# KiCad board GIMIX Mainboard.kicad_pcb
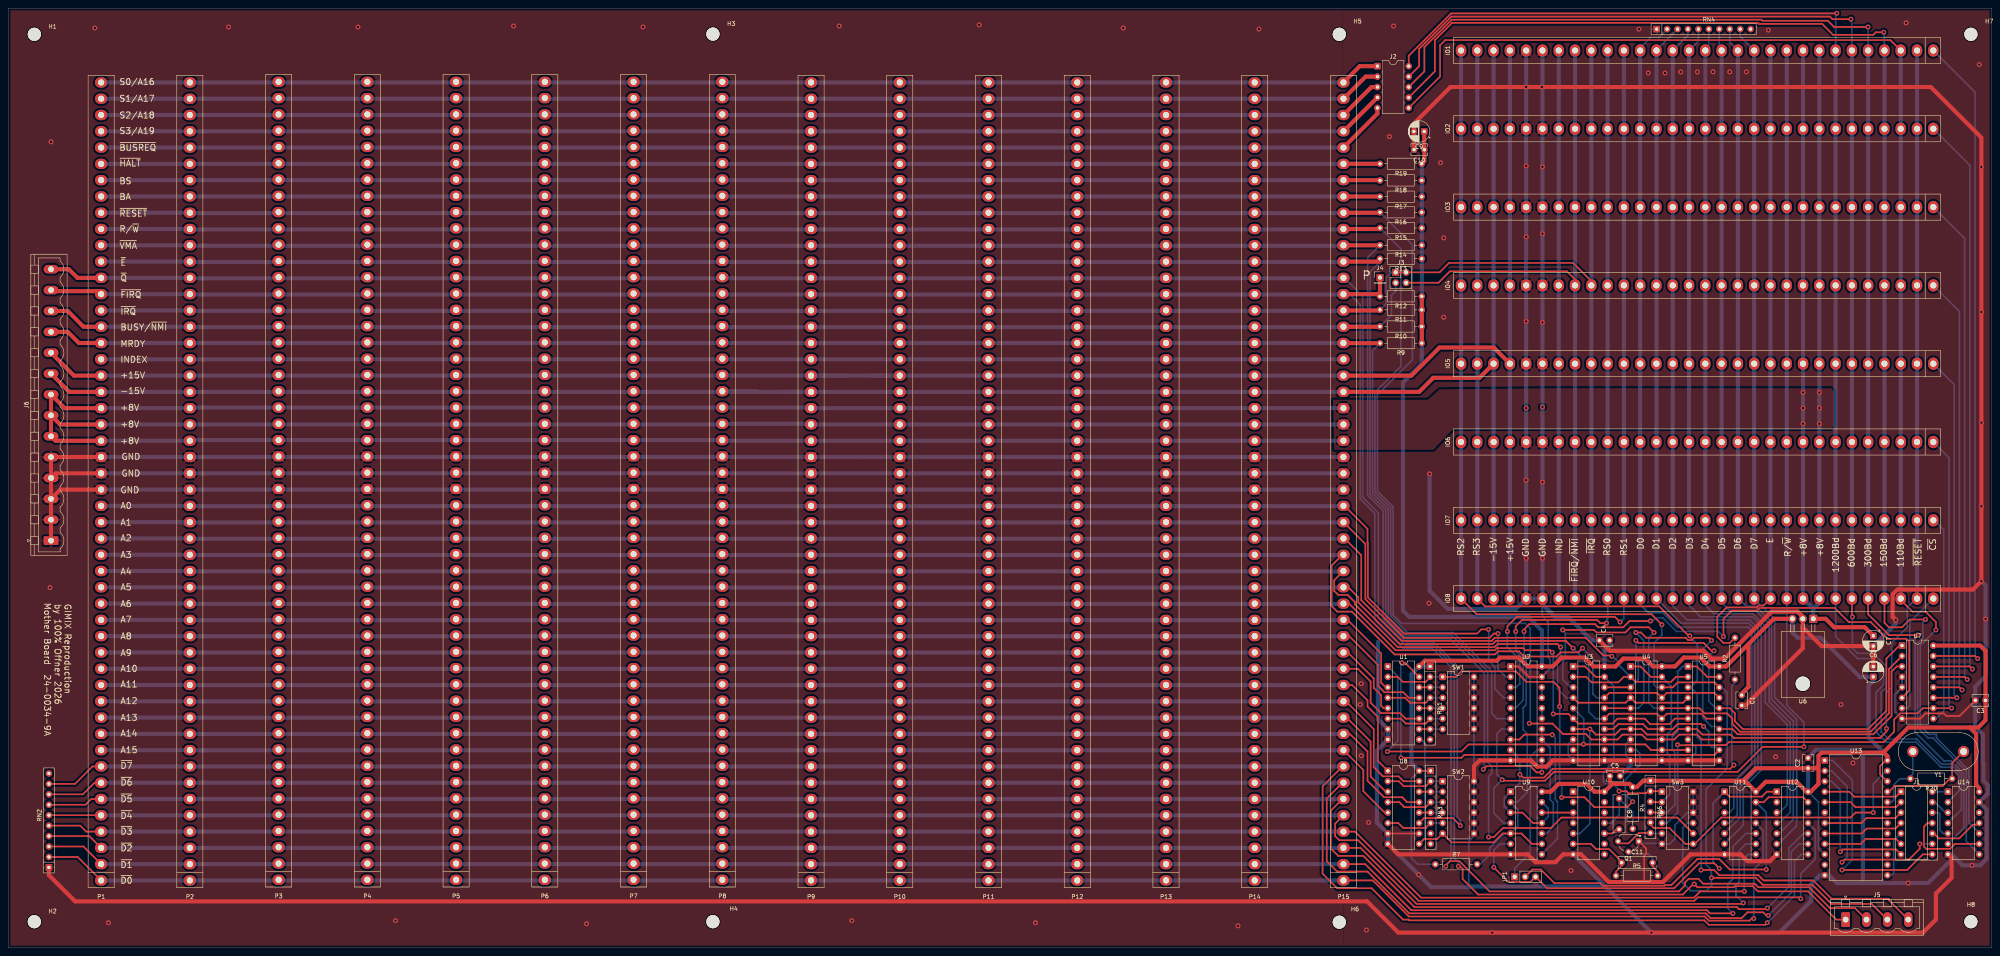
[diagram p0: board, top side]
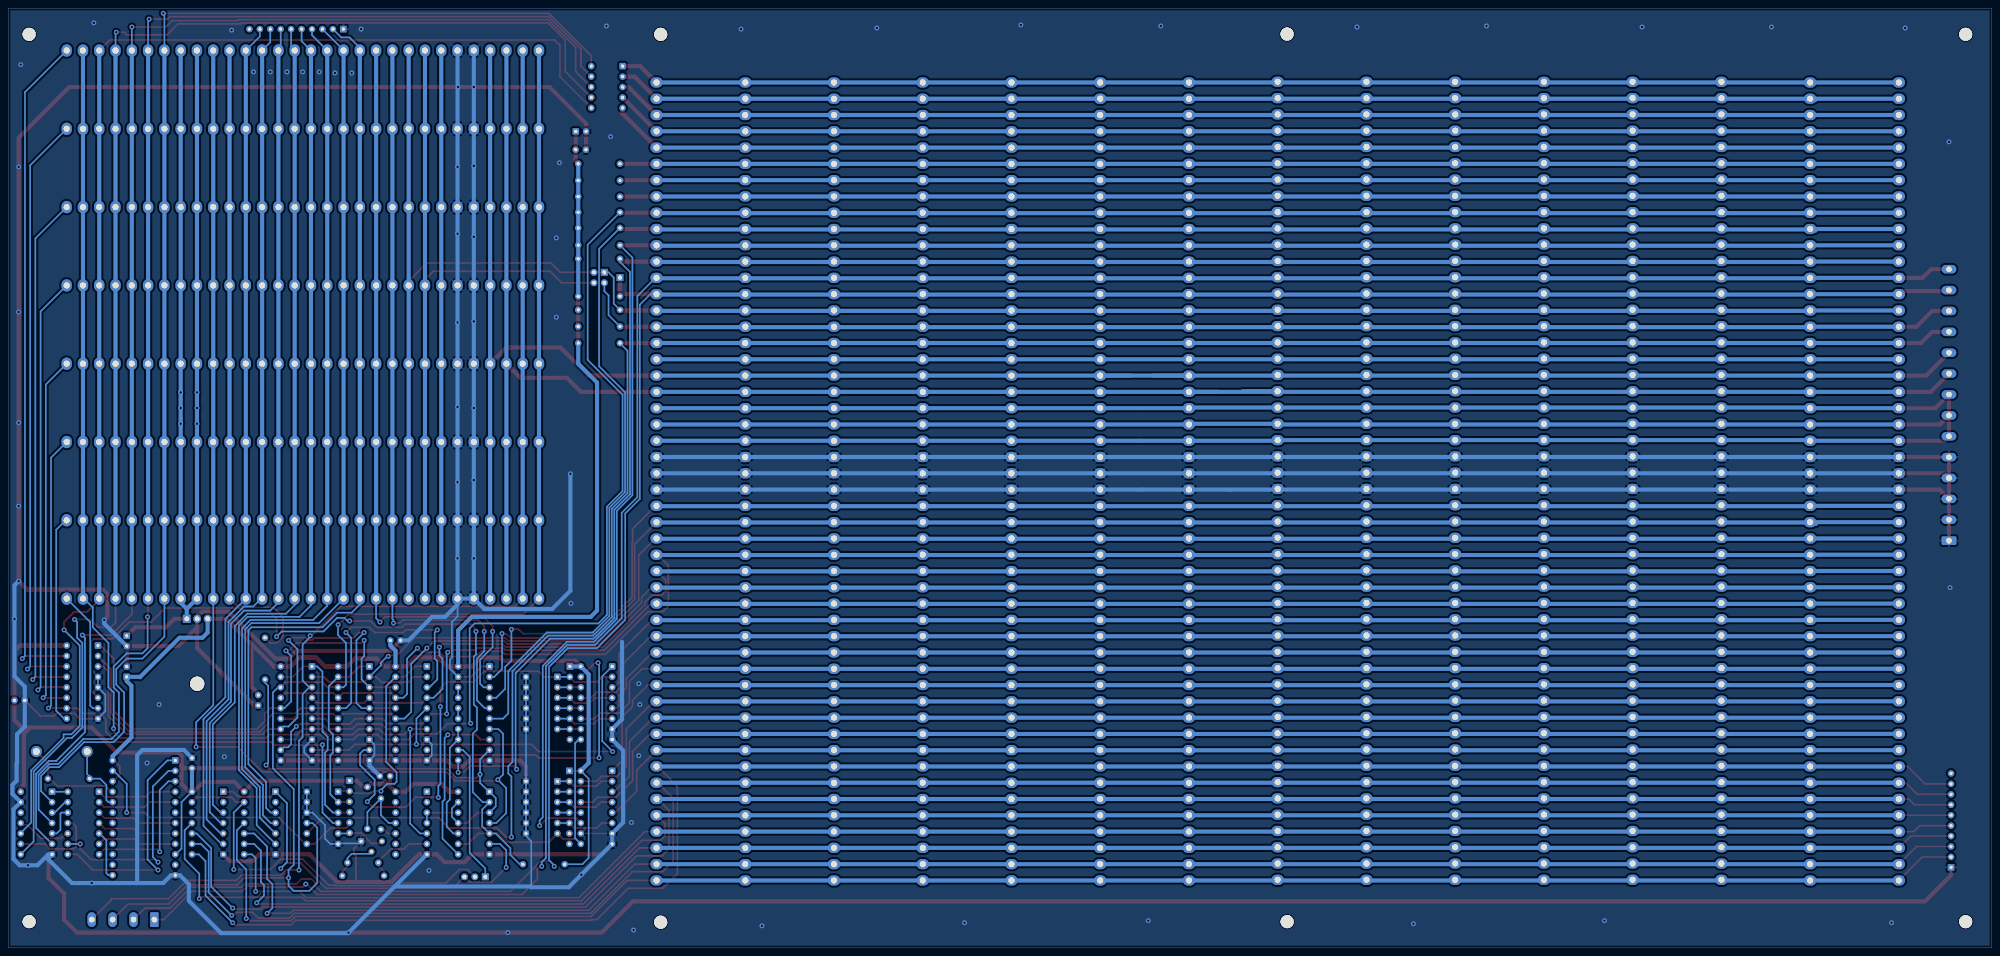
[diagram p1: board, bottom side, seen from below]

Outline 482.6 x 228.6 mm; copper layers: Top, Bottom. Coordinates in mm from the lower left corner of the outline.
Outline path: rectangle 0,228.6 482.6,0

## Placement (name value [footprint] x y rotation side)
C1  100n  [C_Disc_D3.8mm_W2.6mm_P2.50mm]  421.77 61.47 270 top
C2  100n  [C_Disc_D3.8mm_W2.6mm_P2.50mm]  437.9 43.69 90 top
C3  100n  [C_Disc_D3.8mm_W2.6mm_P2.50mm]  481.08 60.2 180 top
C4  100n  [C_Disc_D3.8mm_W2.6mm_P2.50mm]  389.64 74.8 180 top
C5  100n  [C_Disc_D3.8mm_W2.6mm_P2.50mm]  389.68 41.78 0 top
C6  ?  [CP_Radial_D5.0mm_P2.50mm]  453.77 65.91 90 top
C7  ?  [CP_Radial_D5.0mm_P2.50mm]  453.77 75.91 270 top
C8  100n  [C_Rect_L9.0mm_W2.7mm_P7.50mm_MKT]  391.92 36.32 270 top
C9  ?  [CP_Radial_D5.0mm_P2.50mm]  344.51 198.63 180 top
C10  100n  [C_Disc_D3.8mm_W2.6mm_P2.50mm]  344.55 194.18 180 top
C11  100n  [C_Rect_L9.0mm_W2.7mm_P7.50mm_MKT]  392.56 20.7 0 top
H1  MountingHole  [MountingHole_3.2mm_M3]  6.35 222.25 0 top
H2  MountingHole  [MountingHole_3.2mm_M3]  6.35 6.35 0 top
H3  MountingHole  [MountingHole_3.2mm_M3]  171.45 222.3 0 top
H4  MountingHole  [MountingHole_3.2mm_M3]  171.45 6.35 0 top
H5  MountingHole  [MountingHole_3.2mm_M3]  323.85 222.25 0 top
H6  MountingHole  [MountingHole_3.2mm_M3]  323.85 6.22 0 top
H7  MountingHole  [MountingHole_3.2mm_M3]  477.52 222.25 0 top
H8  MountingHole  [MountingHole_3.2mm_M3]  477.52 6.35 0 top
IO1  SS30 Bus  [SS-30_male]  410.92 218.31 180 top
IO2  SS30 Bus  [SS-30_male]  410.92 199.26 180 top
IO3  SS30 Bus  [SS-30_male]  410.92 180.21 180 top
IO4  SS30 Bus  [SS-30_male]  410.92 161.16 180 top
IO5  SS30 Bus  [SS-30_male]  410.92 142.11 180 top
IO6  SS30 Bus  [SS-30_male]  410.92 123.06 180 top
IO7  SS30 Bus  [SS-30_male]  410.92 104.01 180 top
IO8  SS30 Bus  [SS-30_male]  410.92 84.96 180 top
J1  Conn_02x07_Counter_Clockwise  [DIP-14_W7.62mm_Socket]  460.5 37.97 0 top
J2  Conn_02x05_Counter_Clockwise  [DIP-10_W7.62mm]  333.12 214.5 0 top
J3  Conn_02x02_Odd_Even  [PinHeader_2x02_P2.54mm_Vertical]  337.57 164.34 0 top
J4  P  [PinHeader_1x01_P2.54mm_Vertical]  333.76 163.07 0 top
J5  Screw_Terminal_01x04  [PhoenixContact_MSTBVA_2,5_4-G-5,08_1x04_P5.08mm_Vertical]  447.04 6.86 0 top
J6  Screw_Terminal_01x14  [PhoenixContact_MSTBVA_2,5_14-G-5,08_1x14_P5.08mm_Vertical]  10.41 99.06 90 top
JP1  Jumper_3_Open  [PinHeader_1x03_P2.54mm_Vertical]  366.52 17.27 90 top
P1  SS-50 Bus  [SS-50_male]  22.61 113.46 90 top
P2  SS-50 Bus  [SS-50_male]  44.2 113.46 90 top
P3  SS-50 Bus  [SS-50_male]  65.79 113.61 90 top
P4  SS-50 Bus  [SS-50_male]  87.38 113.61 90 top
P5  SS-50 Bus  [SS-50_male]  108.97 113.61 90 top
P6  SS-50 Bus  [SS-50_male]  130.56 113.61 90 top
P7  SS-50 Bus  [SS-50_male]  152.15 113.61 90 top
P8  SS-50 Bus  [SS-50_male]  173.74 113.61 90 top
P9  SS-50 Bus  [SS-50_male]  195.33 113.46 90 top
P10  SS-50 Bus  [SS-50_male]  216.92 113.46 90 top
P11  SS-50 Bus  [SS-50_male]  238.51 113.46 90 top
P12  SS-50 Bus  [SS-50_male]  260.1 113.46 90 top
P13  SS-50 Bus  [SS-50_male]  281.69 113.46 90 top
P14  SS-50 Bus  [SS-50_male]  303.28 113.46 90 top
P15  SS-50 Bus  [SS-50_male]  324.87 113.46 90 top
Q1  2N3904  [TO-92L_Wide]  396.75 25.91 180 top
R2  ?  [R_Axial_DIN0207_L6.3mm_D2.5mm_P10.16mm_Horizontal]  420.12 65.28 90 top
R4  ?  [R_Axial_DIN0207_L6.3mm_D2.5mm_P10.16mm_Horizontal]  395.22 39.12 270 top
R5  ?  [R_Axial_DIN0207_L6.3mm_D2.5mm_P10.16mm_Horizontal]  391.16 17.53 0 top
R7  ?  [R_Axial_DIN0207_L6.3mm_D2.5mm_P10.16mm_Horizontal]  347.22 20.32 0 top
R9  ?  [R_Axial_DIN0207_L6.3mm_D2.5mm_P10.16mm_Horizontal]  343.92 147.11 180 top
R10  ?  [R_Axial_DIN0207_L6.3mm_D2.5mm_P10.16mm_Horizontal]  343.92 151.16 180 top
R11  ?  [R_Axial_DIN0207_L6.3mm_D2.5mm_P10.16mm_Horizontal]  343.92 155.21 180 top
R12  ?  [R_Axial_DIN0207_L6.3mm_D2.5mm_P10.16mm_Horizontal]  343.92 158.5 180 top
R13  ?  [R_Axial_DIN0207_L6.3mm_D2.5mm_P10.16mm_Horizontal]  343.92 167.64 180 top
R14  ?  [R_Axial_DIN0207_L6.3mm_D2.5mm_P10.16mm_Horizontal]  343.92 170.94 180 top
R15  ?  [R_Axial_DIN0207_L6.3mm_D2.5mm_P10.16mm_Horizontal]  343.92 175.13 180 top
R16  ?  [R_Axial_DIN0207_L6.3mm_D2.5mm_P10.16mm_Horizontal]  343.92 178.94 180 top
R17  ?  [R_Axial_DIN0207_L6.3mm_D2.5mm_P10.16mm_Horizontal]  343.92 182.75 180 top
R18  ?  [R_Axial_DIN0207_L6.3mm_D2.5mm_P10.16mm_Horizontal]  343.92 186.7 180 top
R19  ?  [R_Axial_DIN0207_L6.3mm_D2.5mm_P10.16mm_Horizontal]  343.92 190.75 180 top
R20  ?  [R_Axial_DIN0207_L6.3mm_D2.5mm_P10.16mm_Horizontal]  472.95 41.15 180 top
RN1  R_Network07  [R_Array_SIP8]  345.95 68.45 270 top
RN2  R_Network09  [R_Array_SIP10]  9.91 19.56 90 top
RN3  R_Network07  [R_Array_SIP8]  346.07 43.05 270 top
RN4  R_Network09  [R_Array_SIP10]  401.07 223.52 0 top
RN6  R_Network05  [R_Array_SIP6]  399.54 40.64 270 top
SW1  SW_DIP_x06  [DIP-12_W7.62mm]  349 65.91 0 top
SW2  SW_DIP_x06  [DIP-12_W7.62mm]  349 40.51 0 top
SW3  SW_DIP_x06  [DIP-12_W7.62mm]  402.34 37.97 0 top
U1  DM8136  [DIP-16_W7.62mm]  335.66 68.45 0 top
U2  74LS240  [DIP-20_W7.62mm]  365.51 68.45 0 top
U3  74LS244  [DIP-20_W7.62mm]  380.75 68.45 0 top
U4  74LS244  [DIP-20_W7.62mm]  394.72 68.45 0 top
U5  74LS244  [DIP-20_W7.62mm]  408.69 68.45 0 top
U6  LM7805_TO220  [TO-220F-3_Horizontal_TabDown]  439.17 80.04 180 top
U7  74LS138  [DIP-16_W7.62mm]  460.76 73.53 0 top
U8  DM8136  [DIP-16_W7.62mm]  335.66 43.05 0 top
U9  74LS10  [DIP-14_W7.62mm]  365.51 37.97 0 top
U10  74LS121  [DIP-14_W7.62mm]  380.75 37.97 0 top
U11  74LS242  [DIP-14_W7.62mm]  417.58 37.97 0 top
U12  74LS242  [DIP-14_W7.62mm]  430.28 37.97 0 top
U13  MC14411  [DIP-24_W15.24mm]  441.96 45.59 0 top
U14  74LS04  [DIP-14_W7.62mm]  471.93 37.97 0 top
Y1  1M8342  [Crystal_HC33-U_Vertical]  475.74 47.75 180 top

## Library data of the parts
C1-C5 C8 C10 C11 = -: Description: Unpolarized capacitor, small symbol; ki_fp_filters: C_*
C6 C7 C9 = -: Description: Polarized capacitor, small symbol; ki_fp_filters: CP_*
H1-H8 = -: Description: Mounting Hole without connection; ki_fp_filters: MountingHole*
IO1-IO8 = -: Description: Generic connector, single row, 01x30, script generated (kicad-library-utils/schlib/autogen/connector/); ki_fp_filters: Connector*:*_1x??_*
J1 = -: Description: Generic connector, double row, 02x07, counter clockwise pin numbering scheme (similar to DIP package numbering), script generated (kicad-library-utils/schlib/autogen/connector/); ki_fp_filters: Connector*:*_2x??_*
J2 = -: Description: Generic connector, double row, 02x05, counter clockwise pin numbering scheme (similar to DIP package numbering), script generated (kicad-library-utils/schlib/autogen/connector/); ki_fp_filters: Connector*:*_2x??_*
J3 = -: Description: Generic connector, double row, 02x02, odd/even pin numbering scheme (row 1 odd numbers, row 2 even numbers), script generated (kicad-library-utils/schlib/autogen/connector/); ki_fp_filters: Connector*:*_2x??_*
J4 = -: Description: Generic connector, single row, 01x01, script generated (kicad-library-utils/schlib/autogen/connector/); ki_fp_filters: Connector*:*_1x??_*
J5 = -: Description: Generic screw terminal, single row, 01x04, script generated (kicad-library-utils/schlib/autogen/connector/); ki_fp_filters: TerminalBlock*:*
J6 = -: Description: Generic screw terminal, single row, 01x14, script generated (kicad-library-utils/schlib/autogen/connector/); ki_fp_filters: TerminalBlock*:*
JP1 = -: Description: Jumper, 3-pole, both open; ki_fp_filters: Jumper* TestPoint*3Pads* TestPoint*Bridge*
P1-P15 = -: Description: "Generic connector, single row, 01x50, script generated"; ki_fp_filters: Connector*:*_1x??_*
Q1 = -: Datasheet: https://www.onsemi.com/pub/Collateral/2N3903-D.PDF; Description: 0.2A Ic, 40V Vce, Small Signal NPN Transistor, TO-92; Sim.Device: NPN; Sim.Pins: 1=E 2=B 3=C; ki_fp_filters: TO?92*
R2 R4 R5 R7 R9-R20 = -: Description: Resistor, small symbol; ki_fp_filters: R_*
RN1 RN3 = -: Datasheet: http://www.vishay.com/docs/31509/csc.pdf; Description: 7 resistor network, star topology, bussed resistors, small symbol; ki_fp_filters: R?Array?SIP*
RN2 RN4 = -: Datasheet: http://www.vishay.com/docs/31509/csc.pdf; Description: 9 resistor network, star topology, bussed resistors, small symbol; ki_fp_filters: R?Array?SIP*
RN6 = -: Datasheet: http://www.vishay.com/docs/31509/csc.pdf; Description: 5 resistor network, star topology, bussed resistors, small symbol; ki_fp_filters: R?Array?SIP*
SW1-SW3 = -: Description: 6x DIP Switch, Single Pole Single Throw (SPST) switch, small symbol; ki_fp_filters: SW?DIP?x6*
U1 U8 = -: Description: 6-bit magnitude comparator; ki_fp_filters: DIP?20* SOIC?20* SO?20* TSSOP?20*
U2 = -: Datasheet: http://www.ti.com/lit/ds/symlink/sn74ls240.pdf; Description: Octal Buffer and Line Driver With 3-State Output, active-low enables, inverting outputs, split symbol; ki_fp_filters: DIP*W7.62mm* SOIC*7.5x12.8mm*P1.27mm* *SSOP*5.3x7.2mm*P0.65mm*
U3-U5 = -: Datasheet: http://www.ti.com/lit/ds/symlink/sn74ls244.pdf; Description: Octal Buffer and Line Driver With 3-State Output, active-low enables, non-inverting outputs; ki_fp_filters: DIP?20*
U6 = -: Datasheet: https://www.onsemi.cn/PowerSolutions/document/MC7800-D.PDF; Description: Positive 1A 35V Linear Regulator, Fixed Output 5V, TO-220; ki_fp_filters: TO?220*
U7 = -: Datasheet: http://www.ti.com/lit/gpn/sn74LS138; Description: Decoder 3 to 8 active low outputs; ki_fp_filters: DIP?16*
U9 = -: Datasheet: http://www.ti.com/lit/gpn/sn74LS10; Description: Triple 3-input NAND; ki_fp_filters: DIP*W7.62mm*
U10 = -: Datasheet: http://www.ti.com/lit/gpn/sn74121; Description: monostable multivibrator with Schmitt-trigger inputs; ki_fp_filters: DIP*W7.62mm*
U11 U12 = -: Datasheet: http://www.ti.com/lit/gpn/sn74LS242; Description: quad bus transceiver, inverting 3-state outputs; ki_fp_filters: DIP?12*
U14 = -: Datasheet: http://www.ti.com/lit/gpn/sn74LS04; Description: Hex Inverter; ki_fp_filters: DIP*W7.62mm* SSOP?14* TSSOP?14*
Y1 = -: Description: Two pin crystal, small symbol; ki_fp_filters: Crystal*

## Footprints (pads in the part's own frame, mm; a bottom-side part is the same pattern mirrored in y, then rotated)
C_Disc_D3.8mm_W2.6mm_P2.50mm
  round 1.6 hole 0.8: 1(0,0) 2(2.5,0)
C_Rect_L9.0mm_W2.7mm_P7.50mm_MKT
  round 1.6 hole 0.8: 1(0,0) 2(7.5,0)
CP_Radial_D5.0mm_P2.50mm
  rrect 1.6x1.6 hole 0.8: 1(0,0)
  round 1.6 hole 0.8: 2(2.5,0)
Crystal_HC33-U_Vertical
  round 2.7 hole 1.7: 1(0,0) 2(12.34,0)
DIP-10_W7.62mm
  rrect 1.6x1.6 hole 0.8: 1(0,0)
  round 1.6 hole 0.8: 2(0,-2.54) 3(0,-5.08) 4(0,-7.62) 5(0,-10.16) 6(7.62,-10.16) 7(7.62,-7.62) 8(7.62,-5.08) 9(7.62,-2.54) 10(7.62,0)
DIP-12_W7.62mm
  rrect 1.6x1.6 hole 0.8: 1(0,0)
  round 1.6 hole 0.8: 2(0,-2.54) 3(0,-5.08) 4(0,-7.62) 5(0,-10.16) 6(0,-12.7) 7(7.62,-12.7) 8(7.62,-10.16) 9(7.62,-7.62) 10(7.62,-5.08) 11(7.62,-2.54) 12(7.62,0)
DIP-14_W7.62mm
  rrect 1.6x1.6 hole 0.8: 1(0,0)
  round 1.6 hole 0.8: 2(0,-2.54) 3(0,-5.08) 4(0,-7.62) 5(0,-10.16) 6(0,-12.7) 7(0,-15.24) 8(7.62,-15.24) 9(7.62,-12.7) 10(7.62,-10.16) 11(7.62,-7.62) 12(7.62,-5.08) 13(7.62,-2.54) 14(7.62,0)
DIP-14_W7.62mm_Socket
  rrect 1.6x1.6 hole 0.8: 1(0,0)
  round 1.6 hole 0.8: 2(0,-2.54) 3(0,-5.08) 4(0,-7.62) 5(0,-10.16) 6(0,-12.7) 7(0,-15.24) 8(7.62,-15.24) 9(7.62,-12.7) 10(7.62,-10.16) 11(7.62,-7.62) 12(7.62,-5.08) 13(7.62,-2.54) 14(7.62,0)
DIP-16_W7.62mm
  rrect 1.6x1.6 hole 0.8: 1(0,0)
  round 1.6 hole 0.8: 2(0,-2.54) 3(0,-5.08) 4(0,-7.62) 5(0,-10.16) 6(0,-12.7) 7(0,-15.24) 8(0,-17.78) 9(7.62,-17.78) 10(7.62,-15.24) 11(7.62,-12.7) 12(7.62,-10.16) 13(7.62,-7.62) 14(7.62,-5.08) 15(7.62,-2.54) 16(7.62,0)
DIP-20_W7.62mm
  rrect 1.6x1.6 hole 0.8: 1(0,0)
  round 1.6 hole 0.8: 2(0,-2.54) 3(0,-5.08) 4(0,-7.62) 5(0,-10.16) 6(0,-12.7) 7(0,-15.24) 8(0,-17.78) 9(0,-20.32) 10(0,-22.86) 11(7.62,-22.86) 12(7.62,-20.32) 13(7.62,-17.78) 14(7.62,-15.24) 15(7.62,-12.7) 16(7.62,-10.16) 17(7.62,-7.62) 18(7.62,-5.08) 19(7.62,-2.54) 20(7.62,0)
DIP-24_W15.24mm
  rrect 1.6x1.6 hole 0.8: 1(0,0)
  round 1.6 hole 0.8: 2(0,-2.54) 3(0,-5.08) 4(0,-7.62) 5(0,-10.16) 6(0,-12.7) 7(0,-15.24) 8(0,-17.78) 9(0,-20.32) 10(0,-22.86) 11(0,-25.4) 12(0,-27.94) 13(15.24,-27.94) 14(15.24,-25.4) 15(15.24,-22.86) 16(15.24,-20.32) 17(15.24,-17.78) 18(15.24,-15.24) 19(15.24,-12.7) 20(15.24,-10.16) 21(15.24,-7.62) 22(15.24,-5.08) 23(15.24,-2.54) 24(15.24,0)
MountingHole_3.2mm_M3
  round 3.2 hole 3.2 unplated: (0,0)
PhoenixContact_MSTBVA_2,5_4-G-5,08_1x04_P5.08mm_Vertical
  rrect 2.08x3.6 hole 1.4: 1(0,0)
  oval 2.08x3.6 hole 1.4: 2(5.08,0) 3(10.16,0) 4(15.24,0)
PhoenixContact_MSTBVA_2,5_14-G-5,08_1x14_P5.08mm_Vertical
  rrect 2.08x3.6 hole 1.4: 1(0,0)
  oval 2.08x3.6 hole 1.4: 2(5.08,0) 3(10.16,0) 4(15.24,0) 5(20.32,0) 6(25.4,0) 7(30.48,0) 8(35.56,0) 9(40.64,0) 10(45.72,0) 11(50.8,0) 12(55.88,0) 13(60.96,0) 14(66.04,0)
PinHeader_1x01_P2.54mm_Vertical
  rect 1.7x1.7 hole 1: 1(0,0)
PinHeader_1x03_P2.54mm_Vertical
  rect 1.7x1.7 hole 1: 1(0,0)
  round 1.7 hole 1: 2(0,-2.54) 3(0,-5.08)
PinHeader_2x02_P2.54mm_Vertical
  rect 1.7x1.7 hole 1: 1(0,0)
  round 1.7 hole 1: 2(2.54,0) 3(0,-2.54) 4(2.54,-2.54)
R_Array_SIP6
  rect 1.6x1.6 hole 0.8: 1(0,0)
  round 1.6 hole 0.8: 2(2.54,0) 3(5.08,0) 4(7.62,0) 5(10.16,0) 6(12.7,0)
R_Array_SIP8
  rect 1.6x1.6 hole 0.8: 1(0,0)
  round 1.6 hole 0.8: 2(2.54,0) 3(5.08,0) 4(7.62,0) 5(10.16,0) 6(12.7,0) 7(15.24,0) 8(17.78,0)
R_Array_SIP10
  rect 1.6x1.6 hole 0.8: 1(0,0)
  round 1.6 hole 0.8: 2(2.54,0) 3(5.08,0) 4(7.62,0) 5(10.16,0) 6(12.7,0) 7(15.24,0) 8(17.78,0) 9(20.32,0) 10(22.86,0)
R_Axial_DIN0207_L6.3mm_D2.5mm_P10.16mm_Horizontal
  round 1.6 hole 0.8: 1(0,0) 2(10.16,0)
SS-30_male
  oval 2.54x3 hole 1.52: 1(-57.455,0) 2(-53.492,0) 3(-49.53,0) 4(-45.568,0) 5(-41.605,0) 6(-37.643,0) 7(-33.68,0) 8(-29.718,0) 9(-25.756,0) 10(-21.793,0) 11(-17.831,0) 12(-13.868,0) 13(-9.906,0) 14(-5.944,0) 15(-1.981,0) 16(1.981,0) 17(5.944,0) 18(9.906,0) 19(13.868,0) 20(17.831,0) 21(21.793,0) 22(25.756,0) 23(29.718,0) 24(33.68,0) 25(37.643,0) 26(41.605,0) 27(45.568,0) 28(49.53,0) 29(53.492,0) 30(57.455,0)
SS-50_male
  oval 2.5x3 hole 1.524: 1(-97.079,0) 2(-93.116,0) 3(-89.154,0) 4(-85.192,0) 5(-81.229,0) 6(-77.267,0) 7(-73.304,0) 8(-69.342,0) 9(-65.38,0) 10(-61.417,0) 11(-57.455,0) 12(-53.492,0) 13(-49.53,0) 14(-45.568,0) 15(-41.605,0) 16(-37.643,0) 17(-33.68,0) 18(-29.718,0) 19(-25.756,0) 20(-21.793,0) 21(-17.831,0) 22(-13.868,0) 23(-9.906,0) 24(-5.944,0) 25(-1.981,0) 26(1.981,0) 27(5.944,0) 28(9.906,0) 29(13.868,0) 30(17.831,0) 31(21.793,0) 32(25.756,0) 33(29.718,0) 34(33.68,0) 35(37.643,0) 36(41.605,0) 37(45.568,0) 38(49.53,0) 39(53.492,0) 40(57.455,0) 41(61.417,0) 42(65.38,0) 43(69.342,0) 44(73.304,0) 45(77.267,0) 46(81.229,0) 47(85.192,0) 48(89.154,0) 49(93.116,0) 50(97.079,0)
TO-92L_Wide
  rrect 1.5x1.5 hole 0.8: 1(0,0)
  round 1.5 hole 0.8: 2(2.54,2.54) 3(5.08,0)
TO-220F-3_Horizontal_TabDown
  round 3.5 hole 3.5 unplated: (2.54,15.8)
  rect 1.905x2 hole 1.2: 1(0,0)
  oval 1.905x2 hole 1.2: 2(2.54,0) 3(5.08,0)

## Nets
+5V: C1.1 C2.1 C3.1 C4.1 C5.1 C6.1 C9.1 C10.1 R4.1 R7.1 R9.1 R10.1 R11.1 R12.1 R13.1 R14.1 R15.1 R16.1 R17.1 R18.1 R19.1 RN1.1 RN3.1 RN6.1 U1.16 U2.20 U3.20 U4.20 U5.20 U6.3 U7.16 U8.16 U9.14 U10.14 U11.14 U12.14 U13.10 U13.22 U13.24 U14.14
+8V: C7.1 IO1.8 IO1.9 IO2.8 IO2.9 IO3.8 IO3.9 IO4.8 IO4.9 IO5.8 IO5.9 IO6.8 IO6.9 IO7.8 IO7.9 IO8.8 IO8.9 J6.6 J6.7 J6.8 P1.28 P1.29 P1.30 P2.28 P2.29 P2.30 P3.28 P3.29 P3.30 P4.28 P4.29 P4.30 P5.28 P5.29 P5.30 P6.28 P6.29 P6.30 P7.28 P7.29 P7.30 P8.28 P8.29 P8.30 P9.28 P9.29 P9.30 P10.28 P10.29 P10.30 P11.28 P11.29 P11.30 P12.28 P12.29 P12.30 P13.28 P13.29 P13.30 P14.28 P14.29 P14.30 P15.28 P15.29 P15.30 U6.1
+15V: IO1.27 IO2.27 IO3.27 IO4.27 IO5.27 IO6.27 IO7.27 IO8.27 J6.10 P1.32 P2.32 P3.32 P4.32 P5.32 P6.32 P7.32 P8.32 P9.32 P10.32 P11.32 P12.32 P13.32 P14.32 P15.32
-15V: IO1.28 IO2.28 IO3.28 IO4.28 IO5.28 IO6.28 IO7.28 IO8.28 J6.9 P1.31 P2.31 P3.31 P4.31 P5.31 P6.31 P7.31 P8.31 P9.31 P10.31 P11.31 P12.31 P13.31 P14.31 P15.31
GND: C1.2 C2.2 C3.2 C4.2 C5.2 C6.2 C7.2 C9.2 C10.2 IO1.25 IO1.26 IO2.25 IO2.26 IO3.25 IO3.26 IO4.25 IO4.26 IO5.25 IO5.26 IO6.25 IO6.26 IO7.25 IO7.26 IO8.25 IO8.26 J6.1 J6.2 J6.3 J6.4 J6.5 P1.25 P1.26 P1.27 P2.25 P2.26 P2.27 P3.25 P3.26 P3.27 P4.25 P4.26 P4.27 P5.25 P5.26 P5.27 P6.25 P6.26 P6.27 P7.25 P7.26 P7.27 P8.25 P8.26 P8.27 P9.25 P9.26 P9.27 P10.25 P10.26 P10.27 P11.25 P11.26 P11.27 P12.25 P12.26 P12.27 P13.25 P13.26 P13.27 P14.25 P14.26 P14.27 P15.25 P15.26 P15.27 Q1.1 RN2.1 RN4.1 SW1.7 SW1.8 SW1.9 SW1.10 SW1.11 SW1.12 SW2.7 SW2.8 SW2.9 SW2.10 SW2.11 SW2.12 SW3.6 SW3.10 SW3.11 SW3.12 U1.7 U1.8 U2.1 U2.10 U2.19 U3.8 U3.10 U3.11 U4.8 U4.10 U4.11 U5.8 U5.10 U5.11 U6.2 U7.4 U7.5 U7.8 U8.7 U8.8 U8.10 U9.7 U10.7 U11.7 U12.7 U13.12 U14.7 U14.13
/110B: IO1.3 IO2.3 IO3.3 IO4.3 IO5.3 IO6.3 IO7.3 IO8.3 J2.6 U14.10
/150B: IO1.4 IO2.4 IO3.4 IO4.4 IO5.4 IO6.4 IO7.4 IO8.4 J2.7 U14.8
/300B: IO1.5 IO2.5 IO3.5 IO4.5 IO5.5 IO6.5 IO7.5 IO8.5 J2.8 U14.6
/600B: IO1.6 IO2.6 IO3.6 IO4.6 IO5.6 IO6.6 IO7.6 IO8.6 J2.9 U14.4
/1200B: IO1.7 IO2.7 IO3.7 IO4.7 IO5.7 IO6.7 IO7.7 IO8.7 J2.10 U14.2
/A2_int: U3.18 U4.3 U5.16 U7.1
/A3_int: U3.3 U4.16 U5.5 U7.2
/A4_int: U3.16 U4.5 U5.14 U7.3
/A5_int: U1.1 U3.5 U4.12 U5.9
/A6_int: U1.15 U3.14 U4.14 U5.12
/BA: P1.43 P2.43 P3.43 P4.43 P5.43 P6.43 P7.43 P8.43 P9.43 P10.43 P11.43 P12.43 P13.43 P14.43 P15.43 R17.2
/BA0: P1.24 P2.24 P3.24 P4.24 P5.24 P6.24 P7.24 P8.24 P9.24 P10.24 P11.24 P12.24 P13.24 P14.24 P15.24 U2.4
/BA1: P1.23 P2.23 P3.23 P4.23 P5.23 P6.23 P7.23 P8.23 P9.23 P10.23 P11.23 P12.23 P13.23 P14.23 P15.23 U2.2
/BA2: P1.22 P2.22 P3.22 P4.22 P5.22 P6.22 P7.22 P8.22 P9.22 P10.22 P11.22 P12.22 P13.22 P14.22 P15.22 U3.2 U4.2 U5.2
/BA3: P1.21 P2.21 P3.21 P4.21 P5.21 P6.21 P7.21 P8.21 P9.21 P10.21 P11.21 P12.21 P13.21 P14.21 P15.21 U3.17 U4.17 U5.17
/BA4: P1.20 P2.20 P3.20 P4.20 P5.20 P6.20 P7.20 P8.20 P9.20 P10.20 P11.20 P12.20 P13.20 P14.20 P15.20 U3.4 U4.4 U5.4
/BA5: P1.19 P2.19 P3.19 P4.19 P5.19 P6.19 P7.19 P8.19 P9.19 P10.19 P11.19 P12.19 P13.19 P14.19 P15.19 U3.15 U4.15 U5.15
/BA6: P1.18 P2.18 P3.18 P4.18 P5.18 P6.18 P7.18 P8.18 P9.18 P10.18 P11.18 P12.18 P13.18 P14.18 P15.18 U3.6 U4.6 U5.6
/BA7: P1.17 P2.17 P3.17 P4.17 P5.17 P6.17 P7.17 P8.17 P9.17 P10.17 P11.17 P12.17 P13.17 P14.17 P15.17 U1.3
/BA8: P1.16 P2.16 P3.16 P4.16 P5.16 P6.16 P7.16 P8.16 P9.16 P10.16 P11.16 P12.16 P13.16 P14.16 P15.16 U1.13
/BA9: P1.15 P2.15 P3.15 P4.15 P5.15 P6.15 P7.15 P8.15 P9.15 P10.15 P11.15 P12.15 P13.15 P14.15 P15.15 U1.5
/BA10: P1.14 P2.14 P3.14 P4.14 P5.14 P6.14 P7.14 P8.14 P9.14 P10.14 P11.14 P12.14 P13.14 P14.14 P15.14 U1.11
/BA11: P1.13 P2.13 P3.13 P4.13 P5.13 P6.13 P7.13 P8.13 P9.13 P10.13 P11.13 P12.13 P13.13 P14.13 P15.13 U8.1
/BA12: P1.12 P2.12 P3.12 P4.12 P5.12 P6.12 P7.12 P8.12 P9.12 P10.12 P11.12 P12.12 P13.12 P14.12 P15.12 U8.15
/BA13: P1.11 P2.11 P3.11 P4.11 P5.11 P6.11 P7.11 P8.11 P9.11 P10.11 P11.11 P12.11 P13.11 P14.11 P15.11 U8.3
/BA14: P1.10 P2.10 P3.10 P4.10 P5.10 P6.10 P7.10 P8.10 P9.10 P10.10 P11.10 P12.10 P13.10 P14.10 P15.10 U8.13
/BA15: P1.9 P2.9 P3.9 P4.9 P5.9 P6.9 P7.9 P8.9 P9.9 P10.9 P11.9 P12.9 P13.9 P14.9 P15.9 U8.5
/BA16: J2.1 P1.50 P2.50 P3.50 P4.50 P5.50 P6.50 P7.50 P8.50 P9.50 P10.50 P11.50 P12.50 P13.50 P14.50 P15.50
/BA17: J2.2 P1.49 P2.49 P3.49 P4.49 P5.49 P6.49 P7.49 P8.49 P9.49 P10.49 P11.49 P12.49 P13.49 P14.49 P15.49
/BA18: J2.3 P1.48 P2.48 P3.48 P4.48 P5.48 P6.48 P7.48 P8.48 P9.48 P10.48 P11.48 P12.48 P13.48 P14.48 P15.48
/BA19: J2.4 P1.47 P2.47 P3.47 P4.47 P5.47 P6.47 P7.47 P8.47 P9.47 P10.47 P11.47 P12.47 P13.47 P14.47 P15.47
/BD0: P1.1 P2.1 P3.1 P4.1 P5.1 P6.1 P7.1 P8.1 P9.1 P10.1 P11.1 P12.1 P13.1 P14.1 P15.1 RN2.2 U11.11
/BD1: P1.2 P2.2 P3.2 P4.2 P5.2 P6.2 P7.2 P8.2 P9.2 P10.2 P11.2 P12.2 P13.2 P14.2 P15.2 RN2.3 U11.10
/BD2: P1.3 P2.3 P3.3 P4.3 P5.3 P6.3 P7.3 P8.3 P9.3 P10.3 P11.3 P12.3 P13.3 P14.3 P15.3 RN2.4 U11.9
/BD3: P1.4 P2.4 P3.4 P4.4 P5.4 P6.4 P7.4 P8.4 P9.4 P10.4 P11.4 P12.4 P13.4 P14.4 P15.4 RN2.5 U11.8
/BD4: P1.5 P2.5 P3.5 P4.5 P5.5 P6.5 P7.5 P8.5 P9.5 P10.5 P11.5 P12.5 P13.5 P14.5 P15.5 RN2.6 U12.11
/BD5: P1.6 P2.6 P3.6 P4.6 P5.6 P6.6 P7.6 P8.6 P9.6 P10.6 P11.6 P12.6 P13.6 P14.6 P15.6 RN2.7 U12.10
/BD6: P1.7 P2.7 P3.7 P4.7 P5.7 P6.7 P7.7 P8.7 P9.7 P10.7 P11.7 P12.7 P13.7 P14.7 P15.7 RN2.8 U12.9
/BD7: P1.8 P2.8 P3.8 P4.8 P5.8 P6.8 P7.8 P8.8 P9.8 P10.8 P11.8 P12.8 P13.8 P14.8 P15.8 RN2.9 U12.8
/BE: P1.39 P2.39 P3.39 P4.39 P5.39 P6.39 P7.39 P8.39 P9.39 P10.39 P11.39 P12.39 P13.39 P14.39 P15.39 R13.2 U2.11
/BQ: J5.1 J6.14 P1.38 P2.38 P3.38 P4.38 P5.38 P6.38 P7.38 P8.38 P9.38 P10.38 P11.38 P12.38 P13.38 P14.38 P15.38
/BR/~{W}: P1.41 P2.41 P3.41 P4.41 P5.41 P6.41 P7.41 P8.41 P9.41 P10.41 P11.41 P12.41 P13.41 P14.41 P15.41 R15.2 U2.6
/Connectors/INDEX: P1.33 P2.33 P3.33 P4.33 P5.33 P6.33 P7.33 P8.33 P9.33 P10.33 P11.33 P12.33 P13.33 P14.33 P15.33
/Connectors/~{IOFIRQ}: IO1.23 IO2.23 IO3.23 IO4.23 IO5.23 IO6.23 IO7.23 IO8.23 J3.4
/DATA_EN: JP1.2 U11.13 U12.13
/Eint: R2.1 U2.9 U9.1 U9.3 U9.11 U9.13
/F1: J1.8 U13.1
/F2: J1.9 U13.2
/F5: J1.7 U13.3
/F7: J1.1 U13.4
/F8: J1.2 U13.5
/F9: J1.3 U13.7
/F11: J1.4 U13.8
/F13: J1.5 U13.13
/F14: J1.6 U13.9
/IOD0: IO1.19 IO2.19 IO3.19 IO4.19 IO5.19 IO6.19 IO7.19 IO8.19 RN4.2 U11.3
/IOD1: IO1.18 IO2.18 IO3.18 IO4.18 IO5.18 IO6.18 IO7.18 IO8.18 RN4.3 U11.4
/IOD2: IO1.17 IO2.17 IO3.17 IO4.17 IO5.17 IO6.17 IO7.17 IO8.17 RN4.4 U11.5
/IOD3: IO1.16 IO2.16 IO3.16 IO4.16 IO5.16 IO6.16 IO7.16 IO8.16 RN4.5 U11.6
/IOD4: IO1.15 IO2.15 IO3.15 IO4.15 IO5.15 IO6.15 IO7.15 IO8.15 RN4.6 U12.3
/IOD5: IO1.14 IO2.14 IO3.14 IO4.14 IO5.14 IO6.14 IO7.14 IO8.14 RN4.7 U12.4
/IOD6: IO1.13 IO2.13 IO3.13 IO4.13 IO5.13 IO6.13 IO7.13 IO8.13 RN4.8 U12.5
/IOD7: IO1.12 IO2.12 IO3.12 IO4.12 IO5.12 IO6.12 IO7.12 IO8.12 RN4.9 U12.6